# Altium PCB х__логия_v25.PcbDoc (part 2 of 3) (continued)
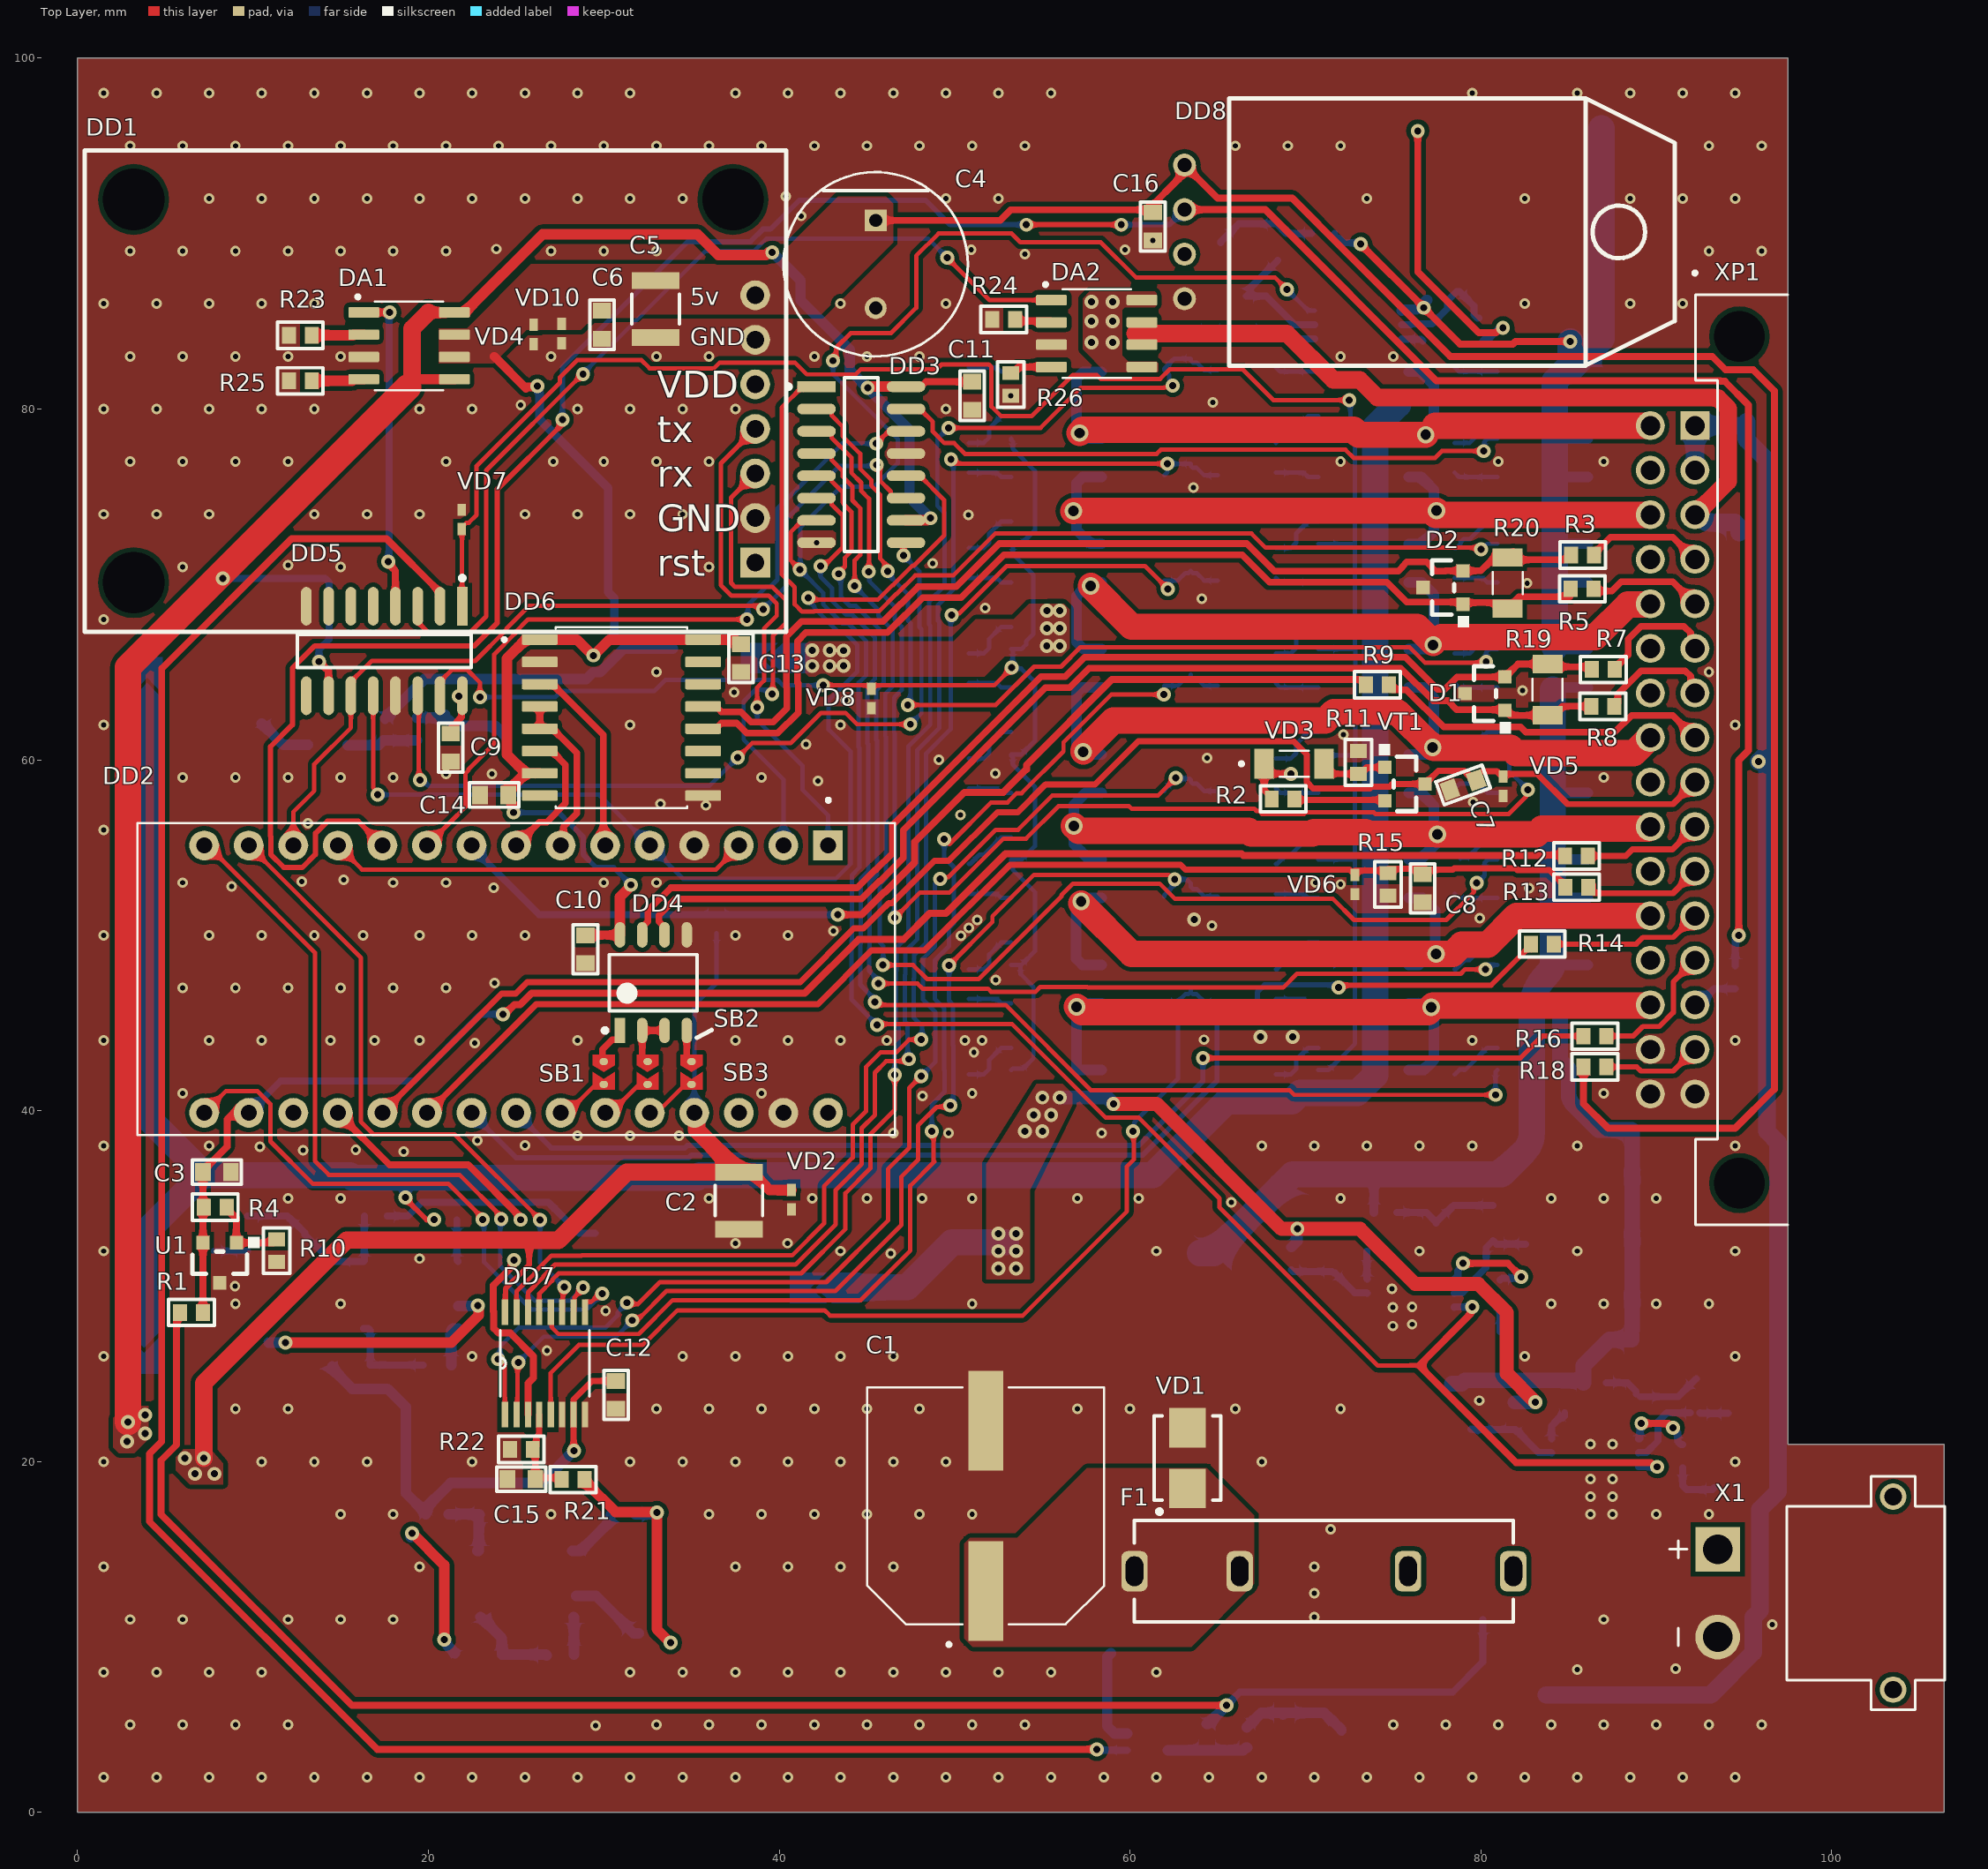
[diagram p0: Top Layer view]
## Nets (pads, with @x,y where several pads share a name; then routed paths per layer and width w, separated by ;. In a path a pad name is that pad's centre, name@x,y a point inside that pad or via, vN(x,y) a via of type N, cw(c..) or ccw(c..) an arc to the next point about the centre after c; other vN are vias at no path point) (continued)
+24_3: C20_3.2 C21_3.2 C22_3.2 C23_3.2 C24_3.1 DA3_3.10 DA6_7.5 DA6_7.8 R27_3.2 VD12_3.2 | length 33.7
  Bottom Layer w0.9: 78.35,24.45 78.904,24.45 79.083,24.629 85.504,24.629 R27_3.2@85.613,24.737 ; 85.1,46.2 84.771,45.871 ccw(c85.407,45.234) 84.507,45.234 84.507,42.891 85,42.398 85,42.027 85,40.973 ccw(c85.9,40.973) 85.264,40.336 86.697,38.903 88.598,38.903 88.625,38.876 C21_3.2@88.625,38 C22_3.2@88.625,34.5 C23_3.2@88.625,31 C20_3.2@88.625,27.5 ; R27_3.2@85.85,24.5 85.85,25.475 87.325,26.95 88.598,26.95 C20_3.2@88.598,27.2
A0: DD2.19 DD7.3 | length 26.3
  Top Layer w0.4: DD2.19@14.84,39.88 14.84,39.863 17.778,36.925 22.259,36.925 25.261,33.923 v2(25.261,33.786) ; v2(24.876,31.477) 24.876,31.222 23.71,30.055 23.71,28.565 23.732,28.543 23.732,27.596 23.998,27.33 24.67,27.33 25.993,26.007 25.993,24.775 25.685,24.466 DD7.3@25.685,22.679
  Layer 1 w0.4: v2(24.876,31.477) 25.2,31.8 25.2,33.725 v2(25.261,33.786)
A1: C7.2 DD2.20 VD5.2 VT1.3 XP1.A9 | length 87.2
  Top Layer w0.35: DD2.20@17.38,39.88 24.179,46.679 24.975,46.679 25.629,47.333 41.2,47.333 44.257,50.389 44.807,50.389 45.761,51.343 46.247,51.829 46.429,51.829 48.85,54.25 49.665,54.25 52.436,57.021 53.596,57.021 55.175,58.6 58,58.6 60.469,61.069 69.312,61.069 70.071,60.31 70.071,58.732 70.432,58.371 73.678,58.371 73.787,58.48 74.799,58.48 74.941,58.622 VT1.3@76.811,58.622 77.56,59.372 79.059,59.372 C7.2@79.637,58.794 ; 80.111,59.35 80.915,59.35 81.068,59.197 VD5.2@81.275,59.197 ; VD5.2@81.275,59.05 81.275,59.122 81.35,59.197 83.208,59.197 84.929,57.476 90.946,57.476 XP1.A9@92.2,58.73
A2: C8.2 DD2.21 R13.1 R15.2 VD6.2 | length 71.9
  Top Layer w0.35: DD2.21@19.784,39.709 26.15,46.075 42.2,46.075 45.256,49.131 48.271,49.131 53.161,54.022 62.886,54.022 63.158,53.75 72.515,53.75 72.646,53.619 72.746,53.619 72.821,53.544 VD6.2@72.821,53.444 ; VD6.2@72.821,53.694 74.556,53.694 R15.2@74.7,53.55 ; R15.2@74.7,53.794 76.871,53.794 76.933,53.733 78.408,53.733 78.484,53.809 81.991,53.809 82.075,53.725 83.905,53.725 84.811,52.819 R13.1@84.811,52.744
ds18b20_1: DD2.11 DD8.DATA R17.1 | length 158.5
  Top Layer w0.3: DD2.11@17.38,55.12 16,56.5 14.25,56.5 13.57,55.82 13.57,54.652 13.554,54.636 13.554,54.601 12.819,53.866 11.757,53.866 11.014,54.609 11.014,55.639 11,55.653 11,60.75 12.25,62 12.25,65.223 13.527,66.5 22.625,66.5 23.936,67.811 23.936,75.436 27.544,79.044 27.544,79.294 v2(27.639,79.389) ; v2(54.09,90.5) 59.25,90.5 v2@59.498,90.252
  Top Layer w0.4: DD8.DATA@63.1,91.36 67.706,91.36 77.462,81.604 93.648,81.604 93.68,81.572 93.909,81.572 95.254,80.227 95.254,60.537 94.7,59.983 v2(94.7,50)
  Bottom Layer w0.3: v2(27.639,79.389) 27.639,82.389 34.79,89.54 38.359,89.54 39.073,90.254 39.504,90.254 41.154,91.904 48.346,91.904 49.75,90.5 v2(54.09,90.5) ; v2(59.5,90.5) 62.24,90.5 DD8.DATA@63.1,91.36
  Bottom Layer w0.4: R17.1@94.5,48.25 94.5,49.8 v2(94.7,50)
ds18b20_2: DD2.23 R16.1 | length 65.1
  Top Layer w0.3: v2(64.153,43) 82.25,43 83.5,44.25 R16.1@85.85,44.25
  Bottom Layer w0.3: DD2.23@25,39.88 26.999,37.881 34.622,37.881 34.773,38.033 60.5,38.033 64.153,41.686 v2(64.153,43)
ds18b20_3: DD2.22 R14.1 | length 69.2
  Top Layer w0.3: v2(71.887,47.029) 72.013,47.154 80.579,47.154 82.85,49.425 R14.1@82.85,49.5
  Bottom Layer w0.3: DD2.22@22.46,39.88 22.46,39.867 25,37.327 34.851,37.327 35.003,37.479 60.729,37.479 64.957,41.707 64.957,45.032 65.265,45.34 66.868,45.34 67.252,45.724 67.252,46.757 67.669,47.173 71.743,47.173 v2(71.887,47.029)
en_akkum: DA4_1.1 DA4_2.1 DA4_3.1 DA4_4.1 DA4_5.1 DA4_6.1 DA4_7.1 DD5.1 VD7.2 | length 118.2
  Top Layer w0.25: DD5.1@21.934,68.756 21.917,68.773 21.917,73.133 VD7.2@21.9,73.15 21.9,73.25 22.171,73.521 22.307,73.521 22.75,73.964 22.75,76.75 27.5,81.5 27.5,81.802 28.477,82.779 32.15,82.779 32.608,82.321 36.281,82.321 36.592,82.632 40.912,82.632 41.572,81.972 44.36,81.972 44.638,82.25 48.957,82.25 49.247,82.54 51.955,82.54 52.101,82.394 52.101,80.134 52.651,79.584 54.381,79.584 56.733,81.936 58.1,81.936 58.32,81.716 61.716,81.716 62.25,82.25 66.428,82.25 68.174,80.504 v2(72.5,80.504)
  Bottom Layer w0.25: DA4_7.1@70.731,42.314 71.311,42.314 72.821,43.824 72.821,48.375 ; DA4_6.1@70.731,48.314 72.76,48.314 72.821,48.375 ; DA4_5.1@70.731,54.314 72.81,54.314 72.821,54.325 ; DA4_4.1@70.731,60.314 70.789,60.256 72.821,60.256 ; DA4_3.1@70.731,66.314 72.71,66.314 72.821,66.425 ; DA4_2.1@70.731,72.314 72.76,72.314 72.821,72.375 ; DA4_1.1@70.731,78.314 72.561,78.314 ; v2(72.5,80.504) 72.561,80.443 72.561,78.314 ; 72.561,78.314 72.821,78.054 72.821,72.375 ; 72.821,48.375 72.821,54.325 ; 72.821,54.325 72.821,60.256 ; 72.821,60.256 72.821,60.625 72.844,60.648 72.844,66.402 72.821,66.425 ; 72.821,66.425 72.821,72.375
en_ideal: DA5_1.1 DA5_2.1 DA5_3.1 DA5_4.1 DA5_5.1 DA5_6.1 DA5_7.1 DD5.15 VD8.2 | length 80.5
  Top Layer w0.25: DD5.15@20.664,63.654 20.664,64.452 21.347,65.135 22.217,65.135 22.939,64.413 v2(22.939,63.575) ; v2(42.5,64.25) 52.25,64.25 v2(53.25,65.25)
  Bottom Layer w0.25: v2(22.939,63.575) 27.239,63.575 27.585,63.921 32.881,63.921 33.518,64.557 39.897,64.557 40.204,64.25 v2(42.5,64.25) ; DA5_7.1@53.231,42.314 53.323,42.406 53.903,42.406 54.495,42.998 54.495,47.05 53.76,47.785 DA5_6.1@53.76,48.314 ; DA5_6.1@53.231,48.314 DA5_6.1@53.76,48.314 ; DA5_1.1@53.231,78.314 53.231,78.222 53.314,78.139 53.314,77.731 54.573,76.472 54.573,73.085 53.986,72.498 53.986,72.489 53.811,72.314 DA5_2.1@53.231,72.314 53.231,72.222 53.314,72.139 53.314,71.731 54.45,70.595 54.45,70.577 54.49,70.537 54.49,67.171 54.069,66.75 54.069,66.572 53.811,66.314 DA5_3.1@53.231,66.314 53.314,66.231 53.314,65.314 v2(53.25,65.25) 53.298,65.202 53.798,65.202 54.197,64.803 54.224,64.803 54.573,64.454 54.573,61.085 53.986,60.498 53.986,60.489 53.811,60.314 DA5_4.1@53.231,60.314 53.231,60.222 53.314,60.139 53.314,59.731 54.573,58.472 54.573,55.085 53.986,54.498 53.986,54.489 53.811,54.314 DA5_5.1@53.231,54.314 53.231,54.222 53.314,54.139 53.314,53.731 54.573,52.472 54.573,49.085 53.986,48.498 53.986,48.489 53.811,48.314 DA5_6.1@53.76,48.314
en_jarka_1: DA6_1.1 DD3.15 | length 36.1
  Top Layer w0.25: DD3.15@47.226,80 48.024,80 48.75,79.274 48.75,78.723 49.422,78.051 49.972,78.051 50.58,77.443 61.517,77.443 61.753,77.679 72.281,77.679 72.743,77.217 77.392,77.217 77.773,77.598 v2(80.159,77.598)
  Bottom Layer w0.25: v2(80.159,77.598) 80.205,77.644 80.205,78.139 80.38,78.314 DA6_1.1@80.931,78.314
en_jarka_2: DA6_2.1 DD3.1 | length 56.6
  Top Layer w0.25: DD3.1@42.124,81.27 41.326,81.27 40.139,80.083 40.139,70.578 40.882,69.835 40.882,68.865 41.292,68.455 41.986,68.455 42.006,68.474 45.694,68.474 46.69,69.47 46.709,69.47 47.748,70.51 49.926,70.51 52.315,72.899 66.926,72.899 67.73,72.095 79.913,72.095 v2(80.004,72.004)
  Bottom Layer w0.25: v2(80.004,72.004) 80.033,72.004 80.037,72 80.351,72.314 DA6_2.1@80.931,72.314
en_jarka_3: DA6_3.1 DD3.2 | length 55.5
  Top Layer w0.25: DD3.2@42.124,80 42.825,80 42.991,79.835 42.991,79.627 43.605,79.013 43.605,78.456 44.613,77.448 44.613,76.587 45.241,75.959 45.241,75.634 45.745,75.13 45.745,71.48 46.177,71.048 v2(46.177,70.753) ; v2(47.327,63.128) 52.345,63.128 54.53,65.313 56.063,65.313 57.174,66.424 75.929,66.424 76.811,65.542 80.257,65.542 v2(80.3,65.585)
  Bottom Layer w0.25: v2(46.177,70.753) 46.177,70.597 47.334,69.44 47.334,67.95 47.48,67.803 47.48,63.281 v2(47.327,63.128) ; v2(80.3,65.585) 80.3,66.139 80.475,66.314 DA6_3.1@80.931,66.314
en_jarka_4: DA6_4.1 DD3.3 | length 73.1
  Top Layer w0.25: DD3.3@42.124,78.73 42.825,78.73 42.991,78.565 42.991,78.357 44.109,77.239 44.109,76.366 44.675,75.8 44.675,75.326 45.117,74.883 45.117,70.744 v2(45.102,70.728) ; v2(46.59,51) 48.032,52.442 49.717,52.442 52.787,55.512 54.074,55.512 55.919,57.357 59.943,57.357 60.08,57.22 67.079,57.22 67.211,57.089 67.35,57.089 67.518,56.921 69.932,56.921 70.017,57.006 73.891,57.006 73.987,56.91 81.585,56.91 82.286,57.611 82.57,57.895 82.57,58.195 v2(82.675,58.3)
  Bottom Layer w0.25: v2(45.102,70.728) 45.147,70.683 45.147,70.178 46.579,68.746 46.579,67.992 46.976,67.595 46.976,63.987 46.548,63.559 46.548,61.555 46.579,61.525 46.579,51.011 v2(46.59,51) ; DA6_4.1@80.931,60.314 81.436,60.314 81.611,60.139 81.611,59.364 v2(82.675,58.3)
en_jarka_5: DA6_5.1 DD3.4 | length 72.6
  Top Layer w0.25: DD3.4@42.124,77.46 42.825,77.46 42.991,77.295 42.991,77.087 43.605,76.473 43.605,76.157 44.171,75.591 44.171,74.793 44.613,74.35 44.613,71.68 44.302,71.368 v2(44.302,69.903) ; v2(45.909,48.302) 47.631,48.302 48.432,47.501 51.376,47.501 56.082,52.207 56.082,52.284 56.743,52.946 61.688,52.946 62.562,52.071 71.568,52.071 72.764,50.875 78.025,50.875 79.45,52.3 79.45,52.302 79.591,52.443 79.591,52.661 79.761,52.831 v2(79.761,52.98)
  Bottom Layer w0.25: v2(44.302,69.903) 45.655,68.551 45.655,68.203 46.472,67.386 46.472,64.195 46.044,63.768 46.044,61.346 46.075,61.316 46.075,53.228 45.721,52.874 45.721,49.6 45.927,49.394 45.927,48.321 v2(45.909,48.302) ; v2(79.761,52.98) 79.79,52.98 80.211,53.402 80.211,54.139 80.386,54.314 DA6_5.1@80.931,54.314
en_jarka_6: DA6_6.1 DD3.5 | length 68.5
  Top Layer w0.25: DD3.5@42.124,76.19 42.825,76.19 42.991,76.025 42.991,75.884 43.605,75.27 43.605,74.695 43.671,74.629 43.671,74.58 44.109,74.142 44.109,71.888 43.737,71.516 43.737,71.025 43.4,70.688 v2(43.4,70.604) ; v2(45.653,47.248) 47.882,47.248 48.173,46.958 51.901,46.958 52.073,46.785 54.612,46.785 54.886,47.058 57.561,47.058 57.6,47.019 68.723,47.019 69.511,47.808 78.854,47.808 79.1,48.054 v2(80.267,48.054)
  Bottom Layer w0.25: v2(43.4,70.604) 43.514,70.49 43.514,69.286 44.017,68.783 44.362,68.783 45.968,67.177 45.968,64.404 45.54,63.976 45.54,61.138 45.571,61.107 45.571,53.437 45.151,53.017 45.151,49.301 45.126,49.276 45.126,47.973 45.653,47.446 v2(45.653,47.248) ; v2(80.267,48.054) 80.527,48.314 DA6_6.1@80.931,48.314
en_jarka_7: DA6_7.1 DD3.6 | length 71.6
  Top Layer w0.25: DD3.6@42.124,74.92 42.825,74.92 42.991,74.755 42.991,74.547 43.288,74.25 43.605,73.933 43.605,72.097 42.562,71.053 v2(42.352,71.053) ; v2(45.449,46.189) 45.611,46.189 45.775,46.025 52.904,46.025 57.755,41.174 69.083,41.174 69.354,40.903 v2(80.83,40.903)
  Bottom Layer w0.25: v2(42.352,71.053) 42.352,70.443 43.01,69.785 43.01,69.381 43.01,69.077 43.808,68.279 44.154,68.279 45.464,66.968 45.464,64.613 45.036,64.185 45.036,60.929 45.067,60.898 45.067,53.645 44.647,53.225 44.647,49.51 44.622,49.485 44.622,47.178 45.426,46.374 45.426,46.212 v2(45.449,46.189) ; v2(80.83,40.903) 80.83,42.213 DA6_7.1@80.931,42.314
en_jarka_dcdc: DA3_1.3 DA3_2.3 DA3_3.3 DD3.7 | length 145.6
  Top Layer w0.25: v2(41.175,70.85) 40.643,71.382 40.643,72.967 41.326,73.65 DD3.7@42.124,73.65 ; v2@43.244,83.073 43.244,83.494 44.075,84.325 46.375,84.325 47.813,85.763 47.813,88.73 49.083,90 53.25,90 53.75,89.5 58.33,89.5 60.33,87.5 68.255,87.5 v2(68.945,86.81) ; v2(45.581,44.882) 45.649,44.95 53.267,44.95 58.601,39.616 60.489,39.616 65.096,35.009 65.096,34.494 74.116,25.475 76.475,25.475
  Top Layer w0.4: v2(79.511,28.823) 79.434,28.746 79.434,28.434 76.475,25.475 82,19.95 89.692,19.95 89.942,19.7 v2(90.05,19.7)
  Bottom Layer w0.25: v2(43.071,82.751) 43.074,82.749 43.074,81.976 46.75,78.3 46.75,76.909 45.413,75.571 43.521,75.571 42.3,74.35 41.2,73.25 41.2,70.875 v2(41.175,70.85) 41.334,70.691 42.506,69.519 42.506,68.868 43.599,67.775 43.945,67.775 44.96,66.76 44.96,64.822 44.532,64.394 44.532,60.72 44.563,60.689 44.563,53.854 44.143,53.434 44.143,49.719 44.118,49.693 44.118,46.345 v2(45.581,44.882) ; v2(68.945,86.81) 70.155,85.6 DA3_1.3@70.525,85.6
  Bottom Layer w0.4: DA3_2.3@78.475,28.8 78.486,28.811 79.499,28.811 v2(79.511,28.823) ; DA3_3.3@88.975,19.7 v2(90.05,19.7)
en_ox: DD5.2 DD10.4 | length 131
  Top Layer w0.4: DD5.2@20.664,68.756 20.664,69.554 17.618,72.6 12.2,72.6 4.8,65.2 4.8,21.146 4.096,20.442 4.096,16.588 17.084,3.6 v2(58.1,3.6)
  Bottom Layer w0.4: v2(58.1,3.6) 58.15,3.55 DD10.4@59.85,3.55
en_sim: DA1.1 DD5.4 | length 18.4
  Top Layer w0.4: DA1.1@16.32,85.505 17.795,85.505 v2(17.8,85.5) ; v2(17.705,71.305) 17.705,71.197 18.124,70.778 DD5.4@18.124,68.756
  Bottom Layer w0.4: v2(17.705,71.305) 17.753,71.353 17.753,85.453 v2(17.8,85.5)
en_vilka: DA2.1 DD5.3 | length 52.9
  Top Layer w0.25: DD5.3@19.394,68.756 19.394,67.861 19.98,67.275 22.395,67.275 23.3,68.18 23.3,76.5 28.696,81.896 28.732,81.896 v2(28.818,81.982) ; v2(49.574,88.626) 51.995,86.205 DA2.1@55.52,86.205
  Bottom Layer w0.25: v2(28.818,81.982) 28.818,82.018 35.811,89.011 38.578,89.011 39.282,89.715 48.485,89.715 v2(49.574,88.626)
GND: C1.2 C2.2 C3.1 C4.2 C5.1 C6.1 C7.1 C8.1 C9.1 C10.2 C11.1 C12.1 C13.1 C14.1 C15.1 C16.1 C17_1.1 C17_2.1 C17_3.1 C18_1.1 C18_2.1 C18_3.1 C19_1.1 C19_2.1 C19_3.1 C20_1.1 C20_2.1 C20_3.1 C21_1.1 C21_2.1 C21_3.1 C22_1.1 C22_2.1 C22_3.1 C23_1.1 C23_2.1 C23_3.1 C24_1.2 C24_2.2 C24_3.2 C25_1.1 C25_2.1 C25_3.1 C26_1.2 C26_2.2 C26_3.2 C27_1.1 C27_2.1 C27_3.1 C29.1 C30.1 C33.1 C34.1 C35.1 C36.1 C38.1 C39.1 C42.1 C43.1 C44.1 C45.1 D1.3 D2.3 DA1.3 DA2.3 DA3_1.4 DA3_1.5 DA3_1.6 DA3_1.9 DA3_1.13 DA3_2.4 DA3_2.5 DA3_2.6 DA3_2.9 DA3_2.13 DA3_3.4 DA3_3.5 DA3_3.6 DA3_3.9 DA3_3.13 DA4_1.3 DA4_2.3 DA4_3.3 DA4_4.3 DA4_5.3 DA4_6.3 DA4_7.3 DA5_1.3 DA5_2.3 DA5_3.3 DA5_4.3 DA5_5.3 DA5_6.3 DA5_7.3 DA6_1.3 DA6_2.3 DA6_3.3 DA6_4.3 DA6_5.3 DA6_6.3 DA6_7.3 DA7.2 DA7.3 DA7.6 DA7.9 DA8.2 DA8.3 DA8.6 DA8.9 DD1.2 DD1.6 DD2.4 DD2.29 DD3.8 DD3.13 DD4.5 DD5.8 DD5.13 DD6.2 DD6.9 DD7.6 DD7.8 DD8.GND DD9.2 DD10.2 L3.1 L6.1 R10.1 R11.1 R15.1 R22.1 R23.1 R24.1 R25.1 R26.1 R31_1.2 R31_2.2 R31_3.2 R32_1.1 R32_2.1 R32_3.1 R32_4.1 R32_5.1 R32_6.1 R32_7.1 R33_1.1 R33_2.1 R33_3.1 R33_4.1 R33_5.1 R33_6.1 R33_7.1 R34_1.1 R34_2.1 R34_3.1 R34_4.1 R34_5.1 R34_6.1 R34_7.1 R35_1.1 R35_2.1 R35_3.1 R35_4.1 R35_5.1 R35_6.1 R35_7.1 R36_1.2 R36_2.2 R36_3.2 R36_4.2 R36_5.2 R36_6.2 R36_7.2 R38_1.1 R38_2.1 R38_3.1 R38_4.1 R38_5.1 R38_6.1 R38_7.1 R39_1.1 R39_2.1 R39_3.1 R39_4.1 R39_5.1 R39_6.1 R39_7.1 R40_1.1 R40_2.1 R40_3.1 R40_4.1 R40_5.1 R40_6.1 R40_7.1 R44.1 R48.1 R51.1 R54.1 U1.3 VD1.1 VD2.1 VD4.1 VD5.1 VD6.1 VD7.1 VD8.1 VD9.1 VD10.1 VD11.1 VD13_1.1 VD13_2.1 VD13_3.1 VD13_4.1 VD13_5.1 VD13_6.1 VD13_7.1 VD16.1 VD19.1 X1.N XP1.A16 XP1.B15 XP1.B16
  other v1: 1.5,2 4.5,2 7.5,2 10.5,2 13.5,2 16.5,2 19.5,2 22.5,2 25.5,2 28.5,2 31.5,2 34.5,2 37.5,2 40.5,2 43.5,2 46.5,2 49.5,2 52.5,2 55.5,2 58.5,2 61.5,2 64.5,2 67.5,2 70.5,2 73.5,2 76.5,2 79.5,2 82.5,2 85.5,2 88.5,2 91.5,2 94.5,2 29.525,4.95 3,5 6,5 9,5 12,5 33,5 36,5 39,5 42,5 45,5 48,5 51,5 54,5 75,5 78,5 81,5 84,5 87,5 90,5 93,5 96,5 1.5,8 4.5,8 7.5,8 10.5,8 31.5,8 34.5,8 37.5,8 40.5,8 43.5,8 46.5,8 49.5,8 52.5,8 55.5,8 61.5,8 85.5,8.154 91.105,8.196 96.6,10.709 3,11 6,11 12,11 15,11 18,11 87,11 70.5,11.147 70.5,12.5 1.5,14 19.5,14 37.5,14 40.5,14 43.5,14 46.5,14 70.5,14 71.425,16.15 15,17 18,17 27,17 36,17 39,17 42,17 45,17 48,17 51,17 86.25,17 87.5,17 90,17 93,17 86.25,18 87.5,18 86.25,19 87.5,19 1.5,20 10.5,20 13.5,20 16.5,20 22.5,20 31.5,20 34.5,20 37.5,20 40.5,20 43.5,20 46.5,20 49.5,20 67.5,20 94.5,20 86.25,21 87.5,21 9,23 12,23 33,23 36,23 39,23 42,23 45,23 48,23 57,23 60,23 66,23 72,23 79.9,23.475 1.5,26 22.5,26 34.5,26 37.5,26 40.5,26 43.5,26 46.5,26 82.5,26 94.5,26 26.756,26.332 74.975,27.725 76.075,27.825 30.101,28.601 74.975,28.8 76.075,28.825 9,29 15,29 51,29 84,29 87,29 90,29 93,29 74.925,29.85 8.975,30 19.5,31.571 46.352,31.862 1.5,32 43.5,32 61.5,32 76.5,32 85.5,32 94.5,32 37.5,32.429 40.478,32.451 65.775,34.775 12,35 15,35 36,35 41.877,35 45,35 48.154,35 51,35 57,35 60.504,35 72,35 84,35 87,35 90,35 18.593,37.679 12.85,37.747 15.864,37.773 10.393,37.946 1.5,38 7.5,38 67.5,38 70.5,38 73.5,38 76.5,38 79.5,38 85.5,38 94.5,38 25.5,38.031 22.804,38.304 28.5,38.585 31.5,38.585 34.29,38.585 46.5,38.737 49.654,38.737 58.382,38.737 48.179,40.844 6,41 39,41 51,41 87,41 51.1,43.325 22.64,43.859 1.5,44 7.5,44 10.5,44 14.429,44 16.929,44 19.5,44 28.5,44 37.5,44 40.5,44 43.5,44 46.134,44 50.595,44.002 51.561,44.019 79.5,44 94.5,44 64.205,44.048 6,47 9,47 12,47 15,47 18,47 21,47 23.764,47.278 52.355,47.464 50.358,49.977 1.5,50 7.5,50 10.5,50 13.5,50 16.271,50 19.5,50 22.5,50 25.5,50 37.5,50 40.5,50 43.093,50.256 50.811,50.419 64.675,50.55 51.286,50.869 79.925,50.975 82.75,52.675 23.717,52.717 8.79,52.79 72,52.9 6,53 18,53 21,53 30,53 33,53 70.575,53 12.78,53.055 15.17,53.17 1.5,56 13.127,56.373 50.336,56.869 35.825,57.4 33.225,57.5 79.55,57.6 42.21,58.79 6,59 9,59 12,59 15,59 18,59 39,59 87,59 21,59.192 23.623,59.192 52.325,59.225 49.1,60 64.4,60.1 41.537,60.874 72.165,61.433 1.5,62 31.5,62 43.5,62 94.5,62 43.8,63.4 37.425,63.85 82.375,63.95 33,65 93,65 1.5,68 51.75,68.65 64.1,69.175 82.637,70.075 6,71 15,71 35.996,71 12,71.104 48.759,71.189 42.124,72.38 50.788,73.965 1.5,74 4.5,74 7.5,74 13.5,74 16.5,74 19.5,74 25.5,74 28.5,74 31.5,74 34.5,74 63.601,75.519 3,77 6,77 9,77 12,77 21,77 27.127,77 30,77 33,77 36,77 72,77 81,77 87,77 1.5,80 4.5,80 7.5,80 10.5,80 13.5,80 19.5,80 22.5,80 28.5,80 31.5,80 34.5,80 37.5,80 49.5,80 25.27,80.23 64.725,80.375 53.2,80.75 3,83 6,83 9,83 12,83 15,83 27,83 33,83 36,83 42,83 45,83 48,83 72,83 75,83 1.5,86 4.5,86 7.5,86 10.5,86 13.5,86 43.5,86 49.5,86 82.5,86 88.5,86 91.5,86 54,88.821 3,89 6,89 9,89 12,89 15,89 18,89 21,89 27,89 30,89 33,89 93,89 96,89 50.949,89.071 59.717,89.073 23.884,89.116 61.3,89.6 41.25,91 7.5,92 10.5,92 13.5,92 16.5,92 19.5,92 22.5,92 25.5,92 28.5,92 31.5,92 34.5,92 49.5,92 52.5,92 73.5,92 82.5,92 88.5,92 91.5,92 94.5,92 40.377,92.123 3,95 6,95 9,95 12,95 15,95 18,95 21,95 24,95 27,95 30,95 33,95 36,95 39,95 42,95 45,95 48,95 51,95 54,95 66,95 69,95 72,95 93,95 96,95 1.5,98 4.5,98 7.5,98 10.5,98 13.5,98 16.5,98 19.5,98 22.5,98 25.5,98 28.5,98 31.5,98 37.5,98 40.5,98 43.5,98 46.5,98 49.5,98 52.5,98 55.5,98 79.5,98 85.5,98 88.5,98 91.5,98 94.5,98
  other v2: 67.425,44.2 69.275,44.2 63.651,50.899
koncevik: DD2.9 R6.1 R9.1 | length 59.2
  Top Layer w0.4: v2(43.35,51.175) 44.703,51.175 45.986,52.458 46.033,52.458 47.717,54.142 47.717,55.317 50.554,58.154 52.773,58.154 54.06,59.44 ; 54.1,59.44 54.1,59.715 58.96,64.575 73.016,64.575 73.041,64.55 73.25,64.55 73.45,64.35 R9.1@73.45,64.275
  Bottom Layer w0.4: DD2.9@22.42,55.08 26.325,51.175 v2(43.35,51.175)
latch: DD2.5 DD3.12 DD5.12 | length 66.8
  Top Layer w0.25: DD5.12@16.854,63.654 16.854,58.412 17.108,58.157 v2(17.108,58.009) ; v2(41.661,69.234) 41.747,69.234 41.856,69.124 45.624,69.124 46.474,69.974 46.5,69.974 47.604,71.079 47.689,71.079 49.404,72.794 49.404,74.81 48.024,76.19 DD3.12@47.226,76.19
  Bottom Layer w0.25: v2(17.108,58.009) 29.731,58.009 DD2.5@32.62,55.12 34.515,53.225 43.221,53.225 44.059,54.063 44.059,60.481 42.821,61.719 42.821,63.395 44.445,65.019 44.445,66.562 43.757,67.25 43.412,67.25 42.002,68.66 42.002,68.744 41.661,69.085 v2(41.661,69.234)
NetC15_2: C15.2 DD7.4 R21.1 R22.2 | length 4.7
  Top Layer w0.35: R22.2@25.95,20.7 26.154,20.904 26.154,21.401 26.32,21.567 DD7.4@26.32,22.679 ; C15.2@26.1,19 C15.2@26.1,19.075 ; R22.2@26.1,20.475 C15.2@26.1,19.075 ; R21.1@27.229,19.075 C15.2@26.1,19.075
NetC25_1_2: C25_1.2 DA3_1.11 R28_1.1 | length 6.4
  Bottom Layer w0.4: DA3_1.11@75.475,84.8 76.008,84.8 76.062,84.854 77.221,84.854 78.108,85.741 78.108,86.183 78.625,86.7 C25_1.2@78.7,86.7 78.775,86.7 79.6,85.875 79.6,85.375 79.8,85.175 R28_1.1@79.875,85.175
NetC25_2_2: C25_2.2 DA3_2.11 R28_2.1 | length 4.9
  Bottom Layer w0.4: R28_2.1@69.2,30.925 69.287,30.837 71.513,30.837 C25_2.2@71.6,30.75 71.675,30.75 72.8,29.625 73.5,29.625 DA3_2.11@73.525,29.6
NetC25_3_2: C25_3.2 DA3_3.11 R28_3.1 | length 5.1
  Bottom Layer w0.4: C25_3.2@79.425,21.85 C25_3.2@79.5,21.85 ; C25_3.2@79.525,21.825 81.975,21.825 83.275,20.525 84,20.525 DA3_3.11@84.025,20.5 ; C25_3.2@79.8,21.75 C25_3.2@79.8,21.775
NetC26_1_1: C26_1.1 DA3_1.12 | length 1.3
  Bottom Layer w0.4: DA3_1.12@75.475,84 75.5,83.975 76.6,83.975 C26_1.1@76.7,83.875
NetC26_2_1: C26_2.1 DA3_2.12 | length 1.6
  Bottom Layer w0.4: C26_2.1@73.5,32 73.5,30.425 DA3_2.12@73.525,30.4
NetC26_3_1: C26_3.1 DA3_3.12 | length 1.9
  Bottom Layer w0.4: DA3_3.12@84.025,21.3 84.025,22.025 84.475,22.475 84.65,22.475 84.775,22.6 C26_3.1@84.775,22.775
NetC27_1_2: C27_1.2 R30_1.2 | length 1.9
  Bottom Layer w0.4: C27_1.2@63.625,84.475 63.638,84.487 65.487,84.487 R30_1.2@65.5,84.5
NetC27_2_2: C27_2.2 R30_2.2 | length 1.7
  Bottom Layer w0.4: C27_2.2@81.1,27.4 R30_2.2@81.1,29.05
NetC27_3_2: C27_3.2 R30_3.2 | length 3
  Bottom Layer w0.4: R30_3.2@91.5,19.65 91.5,18.634 91.734,18.4 93.2,18.4 C27_3.2@93.3,18.5
NetC28_1: C28.1 C31.1 DD9.1 L2.2
NetC28_2: C28.2 C31.2 L3.2 VD14.1
NetC29_2: C29.2 DD9.5 L2.1 R42.2 SB4.2
NetC30_2: C30.2 R41.2 SB5.2 VD14.2 | length 18.1
  Bottom Layer w0.6: R41.2@17.525,62.35 19.775,64.6 29,64.6 29.396,64.996 29.795,64.996 31.149,66.35 C30.2@33.925,66.35
NetC32_1: C32.1 DA7.8 L4.1 VD16.2 | length 2.4
  Bottom Layer w0.6: C32.1@21.3,25.5 21.3,27.495 21.4,27.595 DA7.8@21.7,27.595
NetC32_2: C32.2 DA7.1 VD15.2 | length 5.4
  Bottom Layer w0.4: DA7.1@16.3,27.595 16.59,27.595 16.69,27.495 VD15.2@16.69,25.5 C32.2@19.7,25.5
NetC33_2: C33.2 C34.2 DA7.7 SB6.2 | length 14.3
  Top Layer w0.6: v2(11.85,26.775) 21.3,26.775 22.874,28.349 22.859,28.365 22.859,28.862 v2(22.821,28.9)
  Bottom Layer w0.6: 10.887,26.775 v2(11.85,26.775) ; DA7.7@21.7,28.865 22.786,28.865 v2(22.821,28.9)
NetC35_2: C35.2 C36.2 L4.2 R46.2 SB7.2 | length 12.9
  Bottom Layer w0.4: R46.2@17.65,34 18.833,34 19.608,34.775 26.844,34.775 28.611,33.008 L4.2@29.5,33.008
NetC37_1: C37.1 C40.1 DD10.1 L5.2
NetC37_2: C37.2 C40.2 L6.2 VD17.1
NetC41_1: C41.1 DA8.8 L7.1 VD19.2 | length 2.2
  Bottom Layer w0.6: DA8.8@28.275,11.15 28.3,11.125 C41.1@28.3,9
NetC41_2: C41.2 DA8.1 VD18.2 | length 5.2
  Bottom Layer w0.6: DA8.1@22.975,11.15 24.19,9.935 VD18.2@24.19,9 C41.2@26.7,9 C41.2@26.75,8.95
NetDA1_2: DA1.2 R23.2 | length 3
  Top Layer w0.6: R23.2@13.35,84.2 15.705,84.2 15.74,84.235 DA1.2@16.32,84.235
NetDA1_4: DA1.4 R25.2 | length 3
  Top Layer w0.6: R25.2@13.35,81.6 15.645,81.6 15.74,81.695 DA1.4@16.32,81.695
NetDA2_2: DA2.2 R24.2 | length 2.1
  Top Layer w0.4: R24.2@53.45,85.1 53.533,85.017 55.438,85.017 DA2.2@55.52,84.935
NetDA2_4: DA2.4 R26.2 | length 2.5
  Top Layer w0.4: R26.2@53.2,82.05 53.275,82.05 53.62,82.395 DA2.4@55.52,82.395
NetDA3_1_1: DA3_1.1 R30_1.1 | length 3.9
  Bottom Layer w0.4: R30_1.1@66.8,84.5 67.861,84.5 68.361,84 DA3_1.1@70.525,84
NetDA3_1_2: DA3_1.2 R29_1.3 R31_1.1 | length 7.4
  Bottom Layer w0.4: R29_1.3@68.425,88.475 66.825,86.875 66.825,86.625 R31_1.1@66.625,86.425 67.763,86.425 69.388,84.8 DA3_1.2@70.525,84.8
NetDA3_1_7: DA3_1.7 DA3_1.8 L1_1.2 VD12_1.1
NetDA3_2_1: DA3_2.1 R30_2.1 | length 6.1
  Top Layer w0.4: v2(78.975,31.3) 81.533,31.3 v2(82.298,30.536)
  Bottom Layer w0.4: DA3_2.1@78.475,30.4 78.675,30.4 78.7,30.425 78.7,30.917 78.975,31.192 v2(78.975,31.3) ; R30_2.1@81.1,30.35 81.209,30.459 82.221,30.459 v2(82.298,30.536)
NetDA3_2_2: DA3_2.2 R29_2.3 R31_2.1 | length 6.1
  Bottom Layer w0.4: DA3_2.2@78.475,29.6 78.5,29.625 78.942,29.625 79.694,30.377 79.694,30.461 80.3,31.067 80.3,32.2 R29_2.3@80.7,32.6 80.9,32.4 R31_2.1@82.55,32.4
NetDA3_2_7: DA3_2.7 DA3_2.8 L1_2.2 VD12_2.1
NetDA3_3_1: DA3_3.1 R30_3.1 | length 4.1
  Top Layer w0.4: v2(89.15,22.175) 90.708,22.175 v2(90.958,21.925)
  Bottom Layer w0.4: DA3_3.1@88.975,21.3 89.048,21.3 89.073,21.325 89.073,22.098 v2(89.15,22.175) ; v2(90.958,21.925) 91.225,21.658 91.225,21.15 91.4,20.975 R30_3.1@91.5,20.975
NetDA3_3_2: DA3_3.2 R29_3.3 R31_3.1 | length 6.2
  Bottom Layer w0.4: DA3_3.2@88.975,20.5 89,20.525 89.442,20.525 90.104,21.186 90.104,22.279 90.604,22.779 91.921,22.779 R29_3.3@91.925,22.775 ; R29_3.3@92.475,22.775 92.5,22.75 R31_3.1@94.1,22.75
NetDA3_3_7: DA3_3.7 DA3_3.8 L1_3.2 VD12_3.1
NetDA4_1_2: DA4_1.2 R32_1.2 | length 3
  Bottom Layer w0.25: R32_1.2@68.311,78.069 68.586,78.344 68.911,78.344 70.151,79.584 DA4_1.2@70.731,79.584
NetDA4_1_4: DA4_1.4 R33_1.2 | length 2.5
  Bottom Layer w0.25: R33_1.2@68.311,82.369 68.556,82.124 DA4_1.4@70.731,82.124
NetDA4_2_2: DA4_2.2 R32_2.2 | length 3.4
  Bottom Layer w0.25: R32_2.2@68.311,72.069 69.161,72.069 69.472,72.38 69.472,72.905 70.151,73.584 DA4_2.2@70.731,73.584
NetDA4_2_4: DA4_2.4 R33_2.2 | length 2.5
  Bottom Layer w0.25: R33_2.2@68.311,76.369 69.906,76.369 70.151,76.124 DA4_2.4@70.731,76.124